# Altium PCB PCB1.PcbDoc (part 2 of 2)
Units mm, origin at the board's own origin, x right, y up, seen from the top; angles counter-clockwise.
Board outline 80 x 115 mm, 4 copper layers (Signal, GND, GND1, PWRD), stack 1.586 mm thick; 119 components, 94 nets, 461 pads, 181 vias.
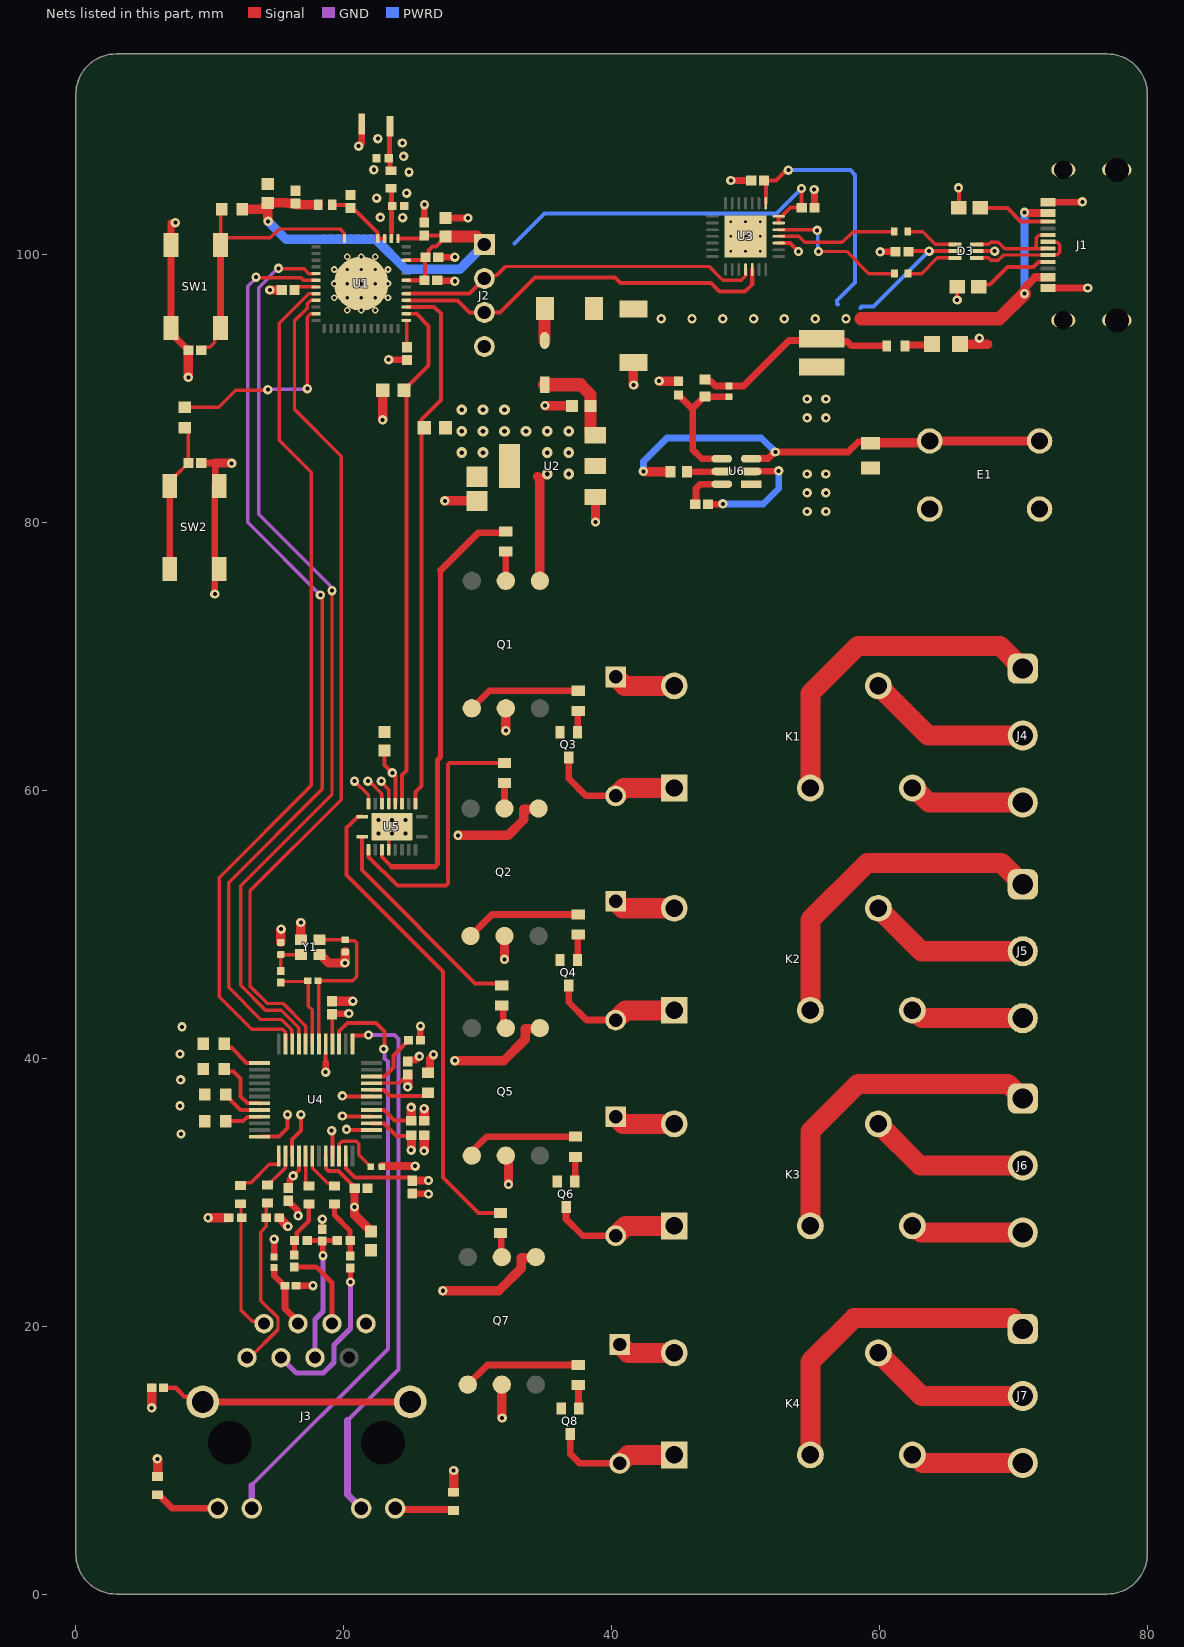
[diagram p4: the nets of this part, all layers, seen from the top]

## Part data (continued)
R22: library part CMP-03211-005885-1, "Res Thick Film 0402 1M Ohm 1% 0.063W(1/16W) ±100ppm/C Pad SMD Automotive T/R", Ambient Temperature Range High=+70°C, Manufacturer="TE Connectivity", Package=CRGCQ0402, Power Rating=0.0625W, Resistance=1MR, Temperature="-55°C to +155°C", Temperature Coefficient=±100ppm/°C, Temperature Range High=+155°C, Temperature Range Low=-55°C, Tolerance=0.01, Voltage Rating=50V, Automotive=Yes, Category=Res, ComponentLink2Description=Datasheet, ComponentLink2URL=https://www.te.com/commerce/DocumentDelivery/DDEController?Action=showdoc&DocId=Data+Sheet%7F1773204-3%7F1%7Fpdf%7FEnglish%7FENG_DS_1773204-3_1.pdf%7F4-2176347-1378, Composition="Thick Film", Device Class L1="Passive Components", Device Class L2=Resistors, Device Class L3="Chip SMD Resistors", Digikey Description="Res Thick Film 0402 1M Ohm 1% 0.063W(1/16W) ±100ppm/C Pad SMD Automotive T/R", Height=0.4mm, Ipc Land Pattern Name=RESC10050X35, Lead Free=Yes, Manufacturer Part Number=CRGCQ0402F1M0, Mouser Description="Res Thick Film 0402 1M Ohm 1% 0.063W(1/16W) ±100ppm/C Pad SMD Automotive T/R", Octopart=https://octopart.com/crgcq0402f1m0-te+connectivity-91017950, RoHS=TRUE, Series=CRGCQ
R25: library part CMP-2002-06970-1, Manufacturer=Yageo, Part Number=RC0402JR-100RL
R27 R28 R29 R30 R31 R32 R33 R34: library part CMP-1012-00454-3, "RES Thick Film, 330Ω, 1%, 0.1W, 100ppm/°C, 0603", Case Code (Imperial)=0603, Case Code (Metric)=1608, Max Operating Temperature=155°C, Max Power Dissipation=100mW, Min Operating Temperature=-55°C, Package Quantity=10, Resistance=330R, Temperature Coefficient=100ppm/°C, Tolerance=1%, Voltage Rating=75V, Case/Package=0603, Composition="Thick Film", Contact Plating=Tin, Depth=0.85mm, Features="Automotive AEC-Q200", Height=0.45mm, Lead Free="Lead Free", Length=1.55mm, Military Standard=Not, Mount="Surface Mount", Number of Terminations=2, Packaging="Tape and Reel", Power Rating=100mW, Radiation Hardening=No, Termination=SMD/SMT, Voltage Rating (DC)=75V, Weight=7.1E-05oz, Width=0.033inch
R35: library part CMP-02407-001837-1, "RES Thick Film, 442kΩ, 1%, 0.1W, 100ppm/°C, 0603", Case/Package=0603, Max Operating Temperature=155°C, Max Power Dissipation=100mW, Min Operating Temperature=-55°C, Package Quantity=20000, Resistance=442kR, Temperature Coefficient=100ppm/°C, Tolerance=1%, Composition="Thick Film", Contact Plating=Tin, Features="Automotive AEC-Q200", Height=0.02inch, Lead Free="Lead Free", Length=0.061inch, Number of Terminations=2, Packaging="Tape and Reel", Radiation Hardening=No, Width=0.033inch
R36: library part CMP-03211-000885-1, "CRGP 0603 100K 1%", Ambient Temperature Range High=+70°C, Manufacturer=TE, Package=CRGP0603, Power Rating=0.25W, Resistance=100kR, Temperature="-55°C to +155°C", Temperature Coefficient=±100ppm/°C, Temperature Range High=+155°C, Temperature Range Low=-55°C, Tolerance=0.01, Voltage Rating=50V, Automotive=No, Category=Res, ComponentLink2Description=Datasheet, ComponentLink2URL=https://www.te.com/commerce/DocumentDelivery/DDEController?Action=srchrtrv&DocNm=9-1773463-9&DocType=DS&DocLang=English, Composition="Thick Film", Device Class L1="Passive Components", Device Class L2=Resistors, Device Class L3="Chip SMD Resistors", Digikey Description="CRGP 0603 100K 1%", Height=0.55mm, Ipc Land Pattern Name=RESC16080X45, Lead Free=Yes, Manufacturer Part Number=CRGP0603F100K, Octopart=https://octopart.com/crgp0603f100k-te+connectivity-91018719, RoHS=TRUE, Series=CRGP
R38: library part CMP-04015-027552-1, "11.1kΩ ±0.1% 0.063W, 1/16W Chip Resistor 0402 (1005 Metric) Moisture Resistant Thin Film"
SW1 SW2: library part CMP-1762-00001-1, "TACT Switch, SPNO, -25 to 70 degC, 4-Pin SMD, RoHS, Tape and Reel", ComponentLink1Description=Datasheet, ComponentLink1URL=http://www.micropik.com/PDF/pul5x5.pdf, DatasheetVersion="Rev. 1.1, 12/2011", PackageDescription="4-Pin Surface Mount Device, Body 5.2 x 5.2 mm", PackageReference=TM-533I-Q-T/R
U1: library part CMP-194065-000030-1, "RX TXRX MOD WIFI SURFACE MOUNT"
U2: library part CMP-12756-000028-1, "IC REG LINEAR 3.3V 800MA SOT223", Case/Package=SOT-223, Dropout Voltage=1.2V, Max Input Voltage=15V, Max Operating Temperature=125°C, Max Output Current=1.35A, Min Current Limit=1A, Min Operating Temperature=-20°C, Output Current=800mA, Output Voltage=3.3V, Package Quantity=4000, Power Supply Rejection Ratio (PSRR)=70dB, Quiescent Current=6mA, Reference Voltage=1.262V, Accuracy=1%, Height=1.7mm, Lead Free="Lead Free", Length=6.7mm, Mount="Surface Mount", Number of Outputs=1, Number of Pins=4, Number of Regulators=1, Output Type=Fixed, Packaging="Tape and Reel", Polarity=Positive, Width=3.7mm
U3: library part CMP-2000-04924-1, "Single-Chip USB to URAT Bridge, 3.3 V, -40 to 85 degC, 28-Pin QFN, RoHS, Tape and Reel", Manufacturer="Silicon Labs", Operating Supply Voltage (Max)=3.6V, Operating Supply Voltage (Min)=3V, Operating Supply Voltage (Typ)=3.3V, Operating Temperature (Max)=85C, Operating Temperature (Min)=-40C, Operating Temperature Classification=Industrial, Package Description="28-Pin Quad-Flat No-Leads Package, Body 5 x 5 mm, Pitch 0.5 mm", Package Reference=QFN-28, Package Type=QFNEP, Supply Current=26mA, Data Rate=1000kbps, Datasheet URL=http://www.mouser.com/ds/2/368/CP2102-9-247052.pdf, Datasheet Version="Rev. 1.6, 12/2013", Interface Circuit Standard 1=RS-232, Manufacturer URL=http://www.silabs.com/, Mounting=SurfaceMount, Number of Channels=1, Package URL=http://www.silabs.com/Support%20Documents/TechnicalDocs/C8051T61x.pdf, Packaging=TapeandReel, Pin Count=28, Rad Hardened=No, Transmitter and Receiver FIFO Counter=No
U4: "Hardwired TCP/IP embedded Ethernet controller", Package=None, Availability=Unavailable, MP=W5500, Price=None
U5: library part CMP-0314-00026-2, "Remote 8-Bit I/O Expander for I2C-Bus, 2.5 to 6 V, -40 to 85 degC, 20-pin VQFN (RGY), Green (RoHS & no Sb/Br)", Manufacturer="Texas Instruments", Max Frequency(kHz)=100, Voltage Nodes(V)="5, 3.3", # of I/Os=8, Code_JEDEC=MO-241-BA, ComponentLink1Description=Datasheet, ComponentLink1URL=http://www.ti.com/general/docs/lit/getliterature.tsp?genericPartNumber=PCF8574&fileType=pdf, ComponentLink2Description="Package Specification", ComponentLink2URL=http://www.ti.com/litv/pdf/mpss024a, DatasheetVersion=SCPS068G, Eco-Plan="Green (RoHS & no Sb/Br)", fSCLK(Max)(MHz)=0.1, I2C Address="0100 xxx", Interrupt Output=Yes, Mounting Technology="Surface Mount", PackageDescription="20-Leads Plastic Quad Flatpack No-Lead, 3.5 x 4.5 x 0.9 mm Body, 0.5 mm Pitch", PackageReference=RGY0020A, PackageVersion="revI, Jun-2011", PartNumber=PCF8574RGYR, Push-Pull I/O Type=Yes, Reset Input=No, SubFamily="I2C IO Expander", Vcc range(V)="2.5 to 6.0", VCC(Max)(V)=6, VCC(Min)(V)=2.5
U6: library part CMP-04918-000212-1, "IC REG BUCK ADJ 2A TSOT23-6", Case/Package=SOT-23-6, Max Input Voltage=28V, Max Operating Temperature=125°C, Min Input Voltage=4.5V, Min Operating Temperature=-40°C, Min Output Voltage=596mV, Output Current=2A, Quiescent Current=40uA, Switching Frequency=500kHz, Lead Free="Lead Free", Max Output Voltage=28V, Mount="Surface Mount", Number of Outputs=1, Output Configuration=Positive, Output Type=Adjustable, Packaging="Tape and Reel", RoHS Compliant=Yes, Synchronous Rectifier=Yes
Y1: library part CMP-27762-012485-1, "Crystal 25MHz ±30ppm 10pF SMD-4 2.5mm x 2mm Automotive", Case/Package=SMD/SMT, ESR (Equivalent Series Resistance)=100R, Frequency=25MHz, Frequency Stability=50ppm, Frequency Tolerance=30ppm, Load Capacitance=10pF, Max Operating Temperature=105°C, Min Operating Temperature=-40°C, Ratings=AEC-Q200, Height=0.024inch, Length=0.098inch, Mount="Surface Mount", Packaging="Tape and Reel", RoHS Compliant=Yes, Width=0.079inch

## Via types
v1: diameter 0.7, hole 0.3, Signal to PWRD, tented both sides, 119 vias
v2: diameter 0.8, hole 0.35, Signal to PWRD, tented both sides, 15 vias
v3: diameter 0.5, hole 0.25, Signal to PWRD, tented both sides, 12 vias
v4: diameter 0.5, hole 0.2, Signal to PWRD, tented both sides, 9 vias
v5: diameter 0.55, hole 0.25, Signal to PWRD, tented both sides, 9 vias
v6: diameter 0.7, hole 0.35, Signal to PWRD, tented both sides, 7 vias
v7: diameter 0.5, hole 0.3, Signal to PWRD, tented both sides, 6 vias
v8: diameter 3, hole 3, Signal to PWRD, 4 vias

## Nets (pads, with @x,y where several pads share a name; then routed paths per layer and width w, separated by ;. In a path a pad name is that pad's centre, name@x,y a point inside that pad or via, vN(x,y) a via of type N, cw(c..) or ccw(c..) an arc to the next point about the centre after c; other vN are vias at no path point)
3v3: C1.2 C2.2 C3.2 C4.1 C9.2 C11.1 C13.1 C18.2 C19.1 C20.2 C21.2 C22.2 C23.2 C24.2 C25.2 C26.2 C39.1 J2.1 L2.1 Q1.1 Q2.1 Q5.1 Q7.1 R3.1 R4.1 R5.1 R9.1 R10.1 R13.1 R16.1 R18.2 R19.2 R20.2 R21.2 R23.2 U1.1 U1.43 U1.46 U2.2 U2.4 U3.6 U3.7 U4.4 U4.8 U4.11 U4.15 U4.17 U4.21 U4.28 U5.5 | length 145
  Signal w0.254: U4.28@19.14,41.09 C22.2@19.14,43.285 ; U4.21@22.09,38.16 22.093,38.163 24.143,38.163 24.522,38.542 24.542,38.542 C23.2@24.775,38.775
  Signal w0.27: U1.1@24.05,101.215 C3.2@25.79,101.215
  Signal w0.3: v1(16.225,31.225) 16.65,31.65 U4.4@16.65,32.72 ; U4.8@18.65,32.72 18.65,32.513 18.66,32.503 18.66,31.795 18.865,31.59 19.61,31.59 20.59,30.61 20.59,30.51 20.72,30.38 C20.2@20.82,30.38 ; C22.2@19.125,43.3 C22.2@19.15,43.325 ; U4.11@20.15,32.72 20.16,32.71 20.16,31.795 20.855,31.1 24.739,31.1 24.749,31.09 24.915,31.09 25.125,30.88 C26.2@25.125,30.86 ; v1@20.35,43.325 v1(20.375,43.35) ; U4.15@22.08,35.15 22.7,35.15 22.71,35.14 22.812,35.14 23.005,35.14 23.941,34.204 24.999,34.204 C24.2@25.045,34.25 ; U4.17@22.08,36.15 22.7,36.15 22.71,36.14 23.005,36.14 23.795,35.35 25.035,35.35 C21.2@25.045,35.35 ; C39.1@23.037,62.963 23.037,61.913 v1(23.625,61.325) 23.85,61.1 U5.5@23.85,59.025 ; U1.43@24.665,98.1 C2.2@26.02,98.1 26.057,98.137 26.057,99.788 C1.2@26.095,99.825 26.075,99.825 25.85,99.6 U1.46@24.665,99.6 ; C3.2@25.79,101.215 26,101.425 C3.2@26,101.44 27.51,101.44 C4.1@27.6,101.35 26.876,100.626 26.621,100.626 26.325,100.33 26.325,100.035 C1.2@26.115,99.825 ; U3.6@52.475,102.375 U3.7@52.475,102.875 52.75,102.875 52.8,102.925 52.8,102.965 53.36,103.525 C18.2@54.19,103.525 54.19,104.935 v1(54.175,104.95)
  Signal w0.5: C25.2@15.85,30.33 15.96,30.44 15.96,30.906 16.225,31.171 v1(16.225,31.225) ; R18.2@16.441,23.025 v1(17.7,23.025) ; C22.2@19.15,43.325 v1@20.35,43.325
  Signal w0.6: v1(20.8,28.9) 20.81,28.91 20.81,30.29 C20.2@20.82,30.3 ; v1(25.025,33.15) 25.025,33.177 v1@25.059,33.211 ; C24.2@25.045,34.25 25.045,34.204 C24.2@25.059,34.19 ; C26.2@25.145,30.88 v1(26.325,30.88)
  Signal w0.7: v1(6.075,10.1) 6.1,10.075 R21.2@6.1,8.777 ; v1(9.875,28.1) R19.2@11.425,28.1 ; R5.1@12.425,103.4 13.85,103.4 C11.1@14.325,103.875 ; v1(14.35,102.5) 14.325,102.525 C11.1@14.325,103.875 ; R20.2@15.175,28.1 v1(15.825,27.45) ; C9.2@16.4,103.8 16.475,103.725 L2.1@18.105,103.725 ; C9.2@16.4,103.82 16.4,103.84 16.39,103.85 15.812,103.85 15.787,103.875 C11.1@14.325,103.875 ; v1(20.8,28.9) 20.8,28.325 C19.1@22.05,27.075 ; v1(22.9,87.675) R4.1@22.9,89.9 ; v1(24.775,37.875) C23.2@24.775,38.795 ; v1(25.025,36.35) 25.025,35.36 C21.2@25.035,35.35 ; v1@25.059,33.211 C24.2@25.059,34.19 ; v1(27.4,22.65) 31.571,22.65 33.24,24.319 33.24,25.112 34.292,25.112 Q7.1@34.34,25.16 ; R23.2@28.2,7.6 v1(28.2,9.225) ; v1(28.3,39.825) 31.946,39.825 33.54,41.419 33.54,42.212 34.592,42.212 Q5.1@34.64,42.26 ; v1(28.525,56.65) 32.271,56.65 33.44,57.819 33.44,58.612 34.492,58.612 Q2.1@34.54,58.66 ; 34.475,83.45 34.64,83.285 Q1.1@34.64,75.66
  Signal w0.9: C4.1@27.6,101.35 29.92,101.35 J2.1@30.5,100.77
  PWRD w0.3: 32.75,100.85 34.975,103.075 52.3,103.075 v1(54.175,104.95)
  PWRD w0.7: v1(14.35,102.5) 15.7,101.15 22.4,101.15 24.625,98.925 28.673,98.925 29.2,99.452 29.2,99.47 J2.1@30.5,100.77
  other v1: 7.85,34.35 7.775,36.45 7.825,38.4 7.775,40.325 7.925,42.35
  other v2: 35.2,83.631 36.8,83.631 28.8,85.231 30.4,85.231 35.2,85.231 36.8,85.231 28.8,86.831 30.4,86.831 32,86.831 33.6,86.831 35.2,86.831 36.8,86.831 28.8,88.431 30.4,88.431 32,88.431
3V3A: C10.2 L2.2 U1.3 U1.4 | length 5.2
  Signal w0.3: L2.2@19.15,103.725 20.29,103.725 20.5,103.515 C10.2@20.5,103.5 20.5,103.48 20.71,103.27 20.926,103.27 22.525,101.671 22.525,101.24 U1.4@22.55,101.215 U1.3@23.05,101.215
5V: C14.1 C17.2 C38.1 D2.2 D3.5 D4.1 D5.1 D6.1 D7.1 FB1.1 J1.A4-B9 J1.B4-A9 K1.5 K2.5 K3.5 K4.5 L3.2 Q1.5 Q2.5 Q5.5 Q7.5 R36.2 R37.2 U3.8 | length 95.2
  Signal w0.3: U3.8@51.518,103.85 51.518,105.412 C14.1@51.38,105.55 52.275,105.55 52.825,106.1 52.867,106.1 53.092,106.325 v1(53.2,106.325) ; C17.2@61.98,100.275 v1(63.713,100.275) D3.5@65.645,100.275
  Signal w0.5: v1@31.8,13.175 v1(31.825,13.15) ; Q5.5@32.1,32.74 Q5.5@32.2,32.64 ; FB1.1@38.676,96 FB1.1@38.835,96.159 ; R36.2@46.975,90.677 47.104,90.548 47.417,90.548 47.765,90.2 C38.1@48.775,90.2 49.855,90.2 53.25,93.595 55.57,93.595 L3.2@55.7,93.725 55.9,93.525 57.586,93.525 57.911,93.2 R37.2@60.548,93.2 ; v1(70.825,97.1) 70.863,97.138 70.863,97.563 ; v1(70.825,103.175) v1@70.875,103.125
  Signal w0.6: 70.863,97.563 71.625,98.325 J1.A4-B9@72.575,98.325 ; v1@70.875,103.125 J1.B4-A9@72.575,103.125
  Signal w0.7: v1@31.8,13.175 Q7.5@31.8,15.64 ; v1(32,47.4) Q2.5@32,49.14 ; v1(32.1,64.475) Q1.5@32.1,66.14 ; Q5.5@32.2,32.64 32.2,32.459 32.299,32.36 v1(32.299,30.599)
  Signal w1: 58.625,95.225 68.95,95.225 v1(70.825,97.1)
  Signal w1.5: D6.1@40.3,35.64 40.83,35.11 K3.5@44.68,35.11 ; D5.1@40.3,51.74 40.83,51.21 K2.5@44.68,51.21 ; D4.1@40.3,68.48 40.97,67.81 K1.5@44.68,67.81 ; D7.1@40.6,18.64 41.23,18.01 K4.5@44.68,18.01
  PWRD w0.3: v1(53.2,106.325) 57.825,106.325 58.175,105.975 58.175,97.925 56.837,96.587 56.837,96.338 56.9,96.275 ; 58.575,96.025 58.675,96.125 59.562,96.125 v1(63.713,100.275)
  PWRD w0.6: v1(70.825,97.1) v1(70.825,103.175)
  other v6: 43.7,95.231 46,95.231 48.3,95.231 50.6,95.231 52.9,95.231 55.2,95.231 57.5,95.231
5VUSB: C12.1 D1.1 U2.3 | length 7
  Signal w0.9: 37.676,90.299 38.425,89.55 C12.1@38.425,88.725 38.425,88.475 38.425,86.675 38.575,86.525 U2.3@38.775,86.525
  Signal w1: D1.1@35,90.299 37.676,90.299
24V: C37.1 E1.A2 R35.1 U6.3 | length 36
  Signal w0.5: v1(42.375,83.825) 42.475,83.825 v1@42.5,83.8 ; U6.3@50.425,84.775 50.439,84.789 51.685,84.789 52.171,85.275 57.659,85.275 58.418,86.034 59.466,86.034 C37.1@59.575,85.925
  Signal w0.7: v1@42.5,83.8 R35.1@44.385,83.8 ; C37.1@59.605,85.955 63.73,85.955 63.875,86.1 E1.A2@72.075,86.1
  PWRD w0.5: v1(42.375,83.825) 42.375,84.575 44.125,86.325 51.175,86.325 v1(52.225,85.275)
ACTLED: J3.10 U4.27 | length 44.9
  Signal w0.3: U4.27@19.65,41.08 19.65,42.025 20.275,42.65 22.4,42.65 23.05,42 23.05,40.775 v1(22.975,40.7)
  GND w0.3: 13.13,8.13 23.3,18.3 23.3,29.646 23.3,39.75 23.052,39.998 23.052,40.623 v1(22.975,40.7)
  GND w0.5: J3.10@13.13,6.4 13.13,8.13
D_N: R7.2 U3.5 | length 10.9
  Signal w0.254: U3.5@52.475,101.875 55.3,101.875 v1(55.35,101.825) ; v1(55.45,100.25) 57.55,100.25 59.2,98.6 R7.2@61.125,98.6
  PWRD w0.254: v1(55.35,101.825) 55.4,101.775 55.4,100.3 v1(55.45,100.25)
D_P: R8.2 U3.4 | length 9.1
  Signal w0.254: U3.4@52.475,101.375 53.983,101.375 54.431,100.927 57.227,100.927 58.025,101.725 R8.2@61.1,101.725
EN: C15.2 R5.2 SW1.3 SW1.4 U1.9 | length 21.4
  Signal w0.254: C15.2@9.36,92.875 9.593,93.108 10.008,93.108 10.377,93.477 10.377,94.102 SW1.3@10.8,94.525 ; SW1.4@10.749,100.812 SW1.4@10.936,101.129 ; R5.2@10.872,103.312 10.987,103.312 10.8,103.125 10.8,101.265 10.895,101.17 10.986,101.261 14.511,101.261 15.175,101.925 19.738,101.925 20.048,101.615 20.048,101.217 U1.9@20.05,101.215
  Signal w0.5: SW1.3@10.8,94.525 SW1.4@10.8,100.725
GND: ANT1.1 C1.1 C2.1 C3.1 C4.2 C5.1 C6.1 C7.1 C8.1 C9.1 C10.1 C11.2 C12.2 C13.2 C14.2 C15.1 C16.1 C17.1 C18.1 C19.2 C20.1 C21.1 C22.1 C23.1 C24.1 C25.1 C26.1 C27.2 C28.2 C29.2 C32.1 C33.1 C34.1 C35.1 C37.2 C39.2 D2.1 D3.2 D8.1 E1.A1 J1.1 J1.2 J1.3 J1.4 J1.A1-B12 J1.B1-A12 J2.4 J3.8 Q3.2 Q4.2 Q6.2 Q8.2 R1.1 R2.1 R14.1 R38.1 SW1.1 SW1.2 SW2.1 SW2.2 U1.49 U2.1 U3.3 U3.29 U4.3 U4.9 U4.14 U4.16 U4.19 U4.29 U4.48 U5.6 U5.7 U5.9 U5.15 U5.21 U6.1 Y1.2 Y1.4 | length 105.9
  Signal w0.254: v1@15.3,49.625 v1(15.325,49.65) ; C35.1@18.4,27.24 v1(18.4,28) ; v1(20.8,60.7) 21.85,59.65 U5.9@21.85,59.025 ; v1(21.8,60.7) 21.921,60.7 22.85,59.771 U5.7@22.85,59.025 ; v1(22.8,60.7) 22.8,60.603 23.358,60.045 23.358,59.033 U5.6@23.35,59.025 ; U5.15@23.35,55.575 23.35,56.55 v7(23.6,56.8)
  Signal w0.3: U4.48@13.72,34.15 15.15,34.15 15.8,34.8 v1(15.8,35.8) ; U4.3@16.15,32.72 16.15,33.95 16.8,34.6 v1(16.8,35.8) ; 18.65,39.7 U4.29@18.65,40.45 ; v1(19.1,34.6) 19.15,34.55 U4.9@19.15,32.72 ; v1(19.9,35.7) 19.95,35.65 U4.16@22.08,35.65 ; v1(19.9,37.2) 19.95,37.15 U4.19@22.08,37.15 ; v1(20.2,34.7) 20.25,34.65 U4.14@22.08,34.65 ; U3.3@52.475,100.875 53.325,100.875 v1(53.95,100.25) ; R1.1@65.798,97.6 65.8,97.598 v1(65.8,96.625) ; v1(65.9,105) 65.921,104.979 R2.1@65.921,103.5 ; D3.2@67.055,100.275 D3.2@67.255,100.275 v1(68.6,100.275)
  Signal w0.5: v1@7.1,102.4 SW1.2@7.1,100.725 SW1.1@7.1,94.525 7.4,94.225 7.4,93.875 8.27,93.005 8.27,92.985 8.38,92.875 C15.1@8.4,92.875 ; C16.1@9.355,84.45 10.4,84.45 10.4,83.05 SW2.1@10.7,82.75 ; v1(10.375,74.675) SW2.1@10.375,82.775 ; C29.2@14.8,25.175 v1(14.8,26.5) ; C33.1@15.3,48.65 C33.1@15.325,48.65 ; C25.1@15.85,29.37 15.96,29.26 15.96,29.24 16.562,28.638 16.562,28.288 v1(16.6,28.25) ; v1(18.65,38.975) 18.65,39.7 ; v1@20.66,44.26 v1(20.675,44.275) ; v1(21.113,108.112) 21.35,108.35 ANT1.1@21.35,109.76 ; v1(23.35,92.175) 24.69,92.175 C5.1@24.725,92.14 ; C23.1@24.775,39.755 24.775,39.775 24.885,39.885 25.385,39.885 v1(25.65,40.15) ; C26.1@25.125,29.9 26.3,29.9 v1(26.325,29.875) ; C28.2@25.715,41.35 25.715,42.39 v1(25.725,42.4) ; v1(26,33.1) 26,33.125 v1@26.005,33.13 ; v1(26,36.25) v1@26.005,36.245 ; C3.1@26,102.4 26,103.715 v1(26.025,103.74) ; C2.1@26.98,98.1 27.017,98.062 28.262,98.062 v1(28.3,98.025) ; C1.1@27.055,99.825 v1(28.3,99.825) ; C4.2@27.6,102.75 v1(29.275,102.75) ; v1(35.025,88.75) v1@35.05,88.725 ; U2.1@38.775,81.925 U2.1@38.8,81.9 ; v1(43.55,90.575) v1@43.561,90.564 ; v1(48.9,105.55) C14.2@50.42,105.55 ; v1(55.125,104.875) 55.15,104.85 C18.1@55.15,103.525 ; v1(60.05,100.225) C17.1@61.195,100.225 ; v1@67.425,93.8 v1(67.45,93.775) ; J1.A1-B12@72.575,97.525 v1(75.55,97.525) ; J1.B1-A12@72.575,103.925 75.125,103.925 v1(75.15,103.95)
  Signal w0.6: R14.1@22.839,31.95 v1(25.325,31.95) ; C27.2@26.407,38.982 26.45,39.025 26.45,39.998 26.7,40.248 v1(26.7,40.275)
  Signal w0.7: v1(5.65,13.9) C32.1@5.65,15.39 ; C15.1@8.375,92.865 8.4,92.865 v1(8.4,90.85) ; 10.4,84.45 11.6,84.45 v1(11.625,84.425) ; v1(14.475,97.375) C6.1@15.37,97.375 ; C33.1@15.3,48.65 v1@15.3,49.625 ; Y1.2@16.8,48.85 v1(16.8,50.15) ; Y1.4@18.2,47.75 18.25,47.7 18.3,47.7 18.875,47.125 v1(20.075,47.125) 20.1,47.15 C34.1@20.1,47.95 ; C22.1@19.125,44.26 v1@20.66,44.26 ; v1@26.005,33.13 C24.1@26.005,34.25 ; C21.1@26.005,35.35 v1@26.005,36.245 ; v1@27.551,81.624 C13.2@29.95,81.624 ; v1@35.05,88.725 C12.2@37.025,88.725 ; v1(38.8,80.05) U2.1@38.8,81.9 ; D2.1@41.625,91.965 41.625,90.3 v1(41.65,90.275) ; v1@43.561,90.564 R38.1@45,90.564 ; D8.1@66.025,93.325 68.075,93.325
  other v1: 27.55,81.625 7.425,102.4 24.4,102.775 24.4,102.775 22.725,102.8 22.45,104.225 24.7,104.6 24.875,106.175 22.25,106.35 24.475,107.35 24.375,108.35 22.55,108.675
  other v3: 20.25,95.85 21.3,95.85 22.35,95.85 19.3,96.8 23.3,96.8 19.3,97.85 23.3,97.85 19.3,98.9 23.3,98.9 20.25,99.85 21.3,99.85 22.35,99.85
  other v4: 48.9,100.275 50,100.275 51.1,100.275 48.9,101.375 50,101.375 51.1,101.375 48.9,102.475 50,102.475 51.1,102.475
  other v5: 20.25,96.8 21.3,96.8 22.35,96.8 20.25,97.85 21.3,97.85 22.35,97.85 20.25,98.9 21.3,98.9 22.35,98.9
  other v7: 22.6,56.8 24.6,56.8 22.6,57.8 23.6,57.8 24.6,57.8
I0: R6.2 U1.23 | length 15.8
  Signal w0.254: R6.2@8.125,88.627 10.672,88.627 11.945,89.9 14.3,89.9 v1(14.325,89.925) ; v1(17.275,90) 17.275,92.255 17.268,92.262 17.268,95.351 17.517,95.6 U1.23@17.935,95.6
  GND w0.254: v1(14.325,89.925) 14.363,89.962 17.237,89.962 v1(17.275,90)
LINKLED: J3.11 U4.25 | length 41.2
  Signal w0.3: U4.25@20.65,41.08 20.65,41.7 20.66,41.71 21.81,41.71 v1(21.85,41.75)
  GND w0.3: 20.275,12.975 24.075,16.775 24.075,41.45 23.775,41.75 v1(21.85,41.75)
  GND w0.5: 20.275,12.975 20.275,7.425 J3.11@21.3,6.4
MAIN1: J4.1 K1.2 | length 25.1
  Signal w1.5: K1.2@54.84,60.19 54.84,67.24 58.4,70.8 69,70.8 J4.1@70.7,69.1
MAIN2: J5.1 K2.2 | length 25
  Signal w1.5: K2.2@54.84,43.59 54.84,50.34 59.1,54.6 69.1,54.6 J5.1@70.7,53
MAIN3: J6.1 K3.2 | length 24.8
  Signal w1.5: K3.2@54.84,27.49 54.84,34.54 58.4,38.1 69.6,38.1 J6.1@70.7,37
MAIN4: J7.1 K4.2 | length 24.5
  Signal w1.5: K4.2@54.84,10.39 54.84,17.34 58.1,20.6 69.9,20.6 J7.1@70.7,19.8
NA1: J4.3 K1.3 | length 8.7
  Signal w1.5: K1.3@62.46,60.19 62.595,60.19 63.685,59.1 J4.3@70.7,59.1
NA2: J5.3 K2.3 | length 8.5
  Signal w1.5: K2.3@62.46,43.59 62.595,43.59 63.185,43 J5.3@70.7,43
NA3: J6.3 K3.3 | length 8.4
  Signal w1.5: K3.3@62.46,27.49 62.595,27.49 63.085,27 J6.3@70.7,27
NA4: J7.3 K4.3 | length 8.5
  Signal w1.5: K4.3@62.46,10.39 62.595,10.39 63.185,9.8 J7.3@70.7,9.8
NC1: J4.2 K1.4 | length 12.3
  Signal w1.5: K1.4@59.92,67.81 63.63,64.1 J4.2@70.7,64.1
NC2: J5.2 K2.4 | length 12.1
  Signal w1.5: K2.4@59.92,51.21 63.13,48 J5.2@70.7,48
NC3: J6.2 K3.4 | length 12.1
  Signal w1.5: K3.4@59.92,35.11 63.03,32 J6.2@70.7,32
NC4: J7.2 K4.4 | length 12.1
  Signal w1.5: K4.4@59.92,18.01 63.13,14.8 J7.2@70.7,14.8
NetANT1_2: ANT1.2 C8.2 L1.1 | length 3.4
  Signal w0.367: ANT1.2@23.45,109.6 23.4,109.55 23.4,107.25 C8.2@23.35,107.2 23.438,107.112 23.438,106.375 L1.1@23.525,106.288
NetC5_2: C5.2 U1.37 | length 2
  Signal w0.254: U1.37@24.665,95.1 24.693,95.1 24.695,95.098 24.695,93.13 C5.2@24.725,93.1
NetC6_2: C6.2 U1.19 | length 1.7
  Signal w0.254: C6.2@16.355,97.375 16.58,97.6 U1.19@17.935,97.6
NetC7_2: C7.2 L1.2 U1.2 | length 3.8
  Signal w0.3: U1.2@23.55,101.215 23.55,101.693
  Signal w0.367: L1.2@23.525,104.963 23.575,104.913 23.575,103.7 C7.2@23.625,103.65 23.55,103.575 23.55,101.693
NetC16_2: C16.2 R6.1 SW2.3 SW2.4 | length 11.1
  Signal w0.254: SW2.3@7,82.75 7,83.1 7.423,83.523 7.448,83.523 C16.2@8.375,84.45 ; R6.1@8.098,87.073 R6.1@8.125,87.073 ; R6.1@8.12,87.073 R6.1@8.12,87.28 ; C16.2@8.395,84.45 R6.1@8.395,86.873
  Signal w0.5: SW2.4@7,76.55 SW2.3@7,82.75
NetC27_1: C27.1 U4.20 | length 4.5
  Signal w0.3: U4.20@22.08,37.65 22.7,37.65 22.71,37.64 22.812,37.64 23.005,37.64 23.47,37.175 26.05,37.175 C27.1@26.3,37.425
NetC28_1: C28.1 U4.22 | length 4.4
  Signal w0.3: U4.22@22.08,38.65 22.09,38.66 23.035,38.66 23.7,39.325 23.7,40.215 24.645,41.16 24.645,41.18 24.815,41.35 C28.1@24.835,41.35
NetC29_1: C29.1 J3.4 R18.1 | length 5
  Signal w0.5: C29.1@14.8,24.375 14.81,24.365 14.81,23.77 15.555,23.025 R18.1@15.609,23.025 15.609,21.303 16.58,20.332 J3.4@16.58,20.19
NetC30_2: C30.2 J3.3 | length 12.3
  Signal w0.381: v1(20.5,23.3) C30.2@20.5,24.36
  GND w0.381: J3.3@15.31,17.65 16.46,16.5 18.475,16.5 19.276,17.301 19.276,18.598 20.5,19.822 v1(20.5,23.3)
NetC31_2: C31.2 J3.6 | length 6.4
  Signal w0.381: C31.2@16.3,24.435 17.94,24.435 19.12,23.255 J3.6@19.12,20.19
NetC32_2: C32.2 J3.MH1 J3.MH2 | length 18.9
  Signal w0.34: C32.2@6.54,15.4 7.45,15.4 8.1,14.75 9.07,14.75 J3.MH1@9.47,14.35
  Signal w0.5: J3.MH1@9.47,14.35 J3.MH2@24.96,14.35
NetC33_2: C33.2 R25.1 Y1.3 | length 2.7
  Signal w0.254: R25.1@15.3,46.525 C33.2@15.3,47.75 Y1.3@16.8,47.75
NetC35_2: C35.2 J3.5 R24.1 R26.1 | length 11.3
  Signal w0.35: R26.1@17.275,26.4 C35.2@18.36,26.4 ; C35.2@18.4,26.36 18.44,26.4 R24.1@19.525,26.4
  Signal w0.4: C35.2@18.36,26.4 18.425,26.335 18.425,25.3 v1(18.45,25.275)
  GND w0.4: J3.5@17.85,17.65 17.85,20.508 18.45,21.108 v1(18.45,25.275)
NetC36_1: C36.1 L3.1 U6.2 | length 9.2
  Signal w0.5: C36.1@47.205,81.375 48.275,81.375 v1(48.3,81.4) ; U6.2@50.425,83.825 50.439,83.839 52.439,83.839 v1(52.475,83.875)
  PWRD w0.5: v1(48.3,81.4) 51.325,81.4 52.475,82.55 v1(52.475,83.875)
  other v1: 54.6,80.831 56,80.831 54.6,82.231 56,82.231 54.6,83.631 56,83.631 54.6,87.831 56,87.831 54.6,89.231 56,89.231
NetC36_2: C36.2 U6.6 | length 3.1
  Signal w0.5: C36.2@46.3,81.525 46.3,82.55 46.625,82.875 U6.6@48.225,82.875
NetC38_2: C38.2 R36.1 R38.2 U6.4 | length 10.1
  Signal w0.5: R38.2@45,89.536 45,89.528 46.05,88.478 ; U6.4@48.225,84.775 46.725,84.775 46.05,85.45 46.05,88.478 ; C38.2@48.775,89.4 48.765,89.41 46.988,89.41 R36.1@46.975,89.423 46.948,89.423 46.05,88.525 46.05,88.478
NetD1_2: D1.2 FB1.2 | length 2.4
  Signal w0.9: D1.2@35,93.6 FB1.2@35,95.976
NetD3_4: D3.4 R8.1 | length 3.9
  Signal w0.254: R8.1@62.1,101.725 63.22,101.725 64.17,100.775 D3.4@65.645,100.775
NetD3_6: D3.6 R7.1 | length 4
  Signal w0.254: R7.1@62.125,98.6 63.15,98.6 64.325,99.775 D3.6@65.645,99.775
NetD4_2: D4.2 K1.1 Q3.3 | length 10.2
  Signal w0.5: Q3.3@36.8,62.45 36.8,60.9 38.1,59.6 D4.2@40.3,59.6
  Signal w1.5: D4.2@40.3,59.6 40.314,59.6 40.904,60.19 K1.1@44.68,60.19
NetD5_2: D5.2 K2.1 Q4.3 | length 10
  Signal w0.5: Q4.3@36.8,45.45 36.8,44.193 38.133,42.86 D5.2@40.3,42.86
  Signal w1.5: D5.2@40.3,42.86 40.314,42.86 41.044,43.59 K2.1@44.68,43.59
NetD6_2: D6.2 K3.1 Q6.3 | length 9.8
  Signal w0.5: Q6.3@36.6,28.9 36.6,28 37.84,26.76 D6.2@40.3,26.76
  Signal w1.5: D6.2@40.3,26.76 40.314,26.76 41.044,27.49 K3.1@44.68,27.49
NetD7_2: D7.2 K4.1 Q8.3 | length 9.8
  Signal w0.5: Q8.3@36.9,11.95 36.9,10.5 37.64,9.76 D7.2@40.6,9.76
  Signal w1.5: D7.2@40.6,9.76 40.614,9.76 41.244,10.39 K4.1@44.68,10.39
NetD8_2: D8.2 R37.1 | length 2.1
  Signal w0.5: R37.1@61.902,93.2 61.964,93.262 63.862,93.262 D8.2@63.925,93.325
NetJ1_A5: J1.A5 R1.2 | length 5.9
  Signal w0.3: R1.2@67.402,97.6 67.582,97.78 68.255,97.78 69.575,99.1 71.505,99.1 71.88,99.475 J1.A5@72.575,99.475
NetJ1_B5: J1.B5 R2.2 | length 5.5
  Signal w0.3: R2.2@67.525,103.5 69.552,103.5 70.125,102.927 70.125,102.885 70.535,102.475 J1.B5@72.575,102.475
NetJ3_9: J3.9 R21.1 | length 4.9
  Signal w0.5: R21.1@6.1,7.423 6.177,7.423 7.2,6.4 J3.9@10.59,6.4
NetJ3_12: J3.12 R23.1 | length 4.4
  Signal w0.5: J3.12@23.84,6.4 23.917,6.323 28.123,6.323 R23.1@28.2,6.247
NetQ1_2: Q1.2 R27.2 | length 2.2
  Signal w0.5: Q1.2@32.1,75.66 R27.2@32.1,77.85
NetQ1_4: Q1.4 R29.2 | length 8.5
  Signal w0.5: Q1.4@29.56,66.14 30.87,67.45 R29.2@37.5,67.45
NetQ2_2: Q2.2 R28.1 | length 1.9
  Signal w0.5: Q2.2@32,58.66 R28.1@32,60.55
NetQ2_4: Q2.4 R30.2 | length 8.7
  Signal w0.5: Q2.4@29.46,49.14 31.07,50.75 R30.2@37.5,50.75
NetQ3_1: Q3.1 R29.1 | length 1.6
  Signal w0.5: Q3.1@37.45,64.35 37.475,64.375 37.475,65.925 R29.1@37.5,65.95
NetQ4_1: Q4.1 R30.1 | length 1.9
  Signal w0.5: Q4.1@37.45,47.35 37.475,47.375 37.475,49.225 R30.1@37.5,49.25
NetQ5_2: Q5.2 R31.1 | length 1.9
  Signal w0.5: R31.1@31.7,43.95 31.775,43.95 31.9,43.825 31.9,42.695 32.1,42.495 Q5.2@32.1,42.26
NetQ5_4: Q5.4 R33.2 | length 8.6
  Signal w0.5: Q5.4@29.26,32.74 30.67,34.15 R33.2@37.3,34.15
NetQ6_1: Q6.1 R33.1 | length 1.9
  Signal w0.5: Q6.1@37.25,30.8 37.275,30.825 37.275,32.625 R33.1@37.3,32.65
NetQ7_2: Q7.2 R32.1 | length 1.8
  Signal w0.5: R32.1@31.7,26.95 31.75,26.9 31.75,25.21 Q7.2@31.8,25.16
NetQ7_4: Q7.4 R34.2 | length 8.8
  Signal w0.5: Q7.4@29.26,15.64 30.72,17.1 R34.2@37.5,17.1
NetQ8_1: Q8.1 R34.1 | length 1.8
  Signal w0.5: R34.1@37.5,15.6 37.525,15.575 37.525,13.875 Q8.1@37.55,13.85
NetR3_2: R3.2 U1.39 U5.2 | length 40.2
  Signal w0.3: U1.39@24.665,96.1 26.75,96.1 27.25,95.6 27.25,89.146 25.8,87.696 25.8,60.355 25.35,59.905 U5.2@25.35,59.025
NetR4_2: R4.2 U1.38 U5.4 | length 38.6
  Signal w0.254: U1.38@24.665,95.6 25.425,95.6
  Signal w0.3: U5.4@24.35,59.025 24.36,59.035 24.36,61.16 24.7,61.5 R4.2@24.7,89.9 ; R4.2@24.5,89.9 24.6,90 26.325,91.725 26.325,94.7 25.425,95.6
NetR9_2: R9.2 U4.37 | length 3.3
  Signal w0.3: R9.2@11.077,41.1 11.077,41.073 11.356,40.794 11.606,40.794 12.75,39.65 U4.37@13.72,39.65
NetR10_2: R10.2 U4.45 | length 2.7
  Signal w0.3: R10.2@11.177,35.327 12.482,35.327 12.795,35.64 13.71,35.64 U4.45@13.72,35.65
NetR11_1: R11.1 U4.1 | length 4.1
  Signal w0.254: R11.1@12.3,30.5 12.502,30.702 13.072,30.702 14.45,32.08 15.15,32.08 U4.1@15.15,32.72
NetR12_1: R12.1 U4.2 | length 2.8
  Signal w0.254: R12.1@14.3,30.553 14.377,30.553 15.65,31.827 U4.2@15.65,32.72
NetR13_2: R13.2 U4.44 | length 3
  Signal w0.3: R13.2@11.177,37.3 11.177,37.273 12.3,36.15 U4.44@13.72,36.15
NetR14_2: R14.2 U4.10 | length 4.7
  Signal w0.254: U4.10@19.65,32.72 19.663,32.733 19.663,33.615 19.875,33.827 20.925,33.827 21.117,33.635 21.117,32.794 21.894,32.017 21.894,32.009 22.032,31.871 R14.2@22.04,31.871
NetR15_1: R15.1 U4.5 | length 2.4
  Signal w0.254: U4.5@17.15,32.72 17.15,30.679 17.352,30.477 R15.1@17.4,30.477
NetR16_2: R16.2 U4.43 | length 4.5
  Signal w0.3: R16.2@11.077,39.2 11.257,39.02 11.78,39.02 12.3,38.5 12.3,37.155 12.795,36.66 13.71,36.66 U4.43@13.72,36.65
NetR17_1: R17.1 U4.6 | length 3.1
  Signal w0.254: U4.6@17.65,32.72 17.663,32.707 17.663,31.825 18.808,30.679 19.098,30.679 R17.1@19.3,30.477
NetR27_1: R27.1 U5.14 | length 33.2
  Signal w0.3: U5.14@22.85,55.575 22.86,55.565 22.86,55.035 23.095,54.8 23.595,54.3
  Signal w0.4: 23.595,54.3 26.766,54.3 27,54.534 27,62.278 27.225,62.503 27.225,76.425
  Signal w0.5: 27.225,76.425 30.036,79.236 31.986,79.236 R27.1@32.1,79.35
NetR28_2: R28.2 U5.12 | length 20.6
  Signal w0.3: U5.12@21.85,55.575 21.86,55.565 21.86,55.035 23.995,52.9 27.624,52.9 27.8,53.076 27.8,61.95 27.9,62.05 R28.2@32,62.05
NetR31_2: R31.2 U5.11 | length 16.5
  Signal w0.3: U5.11@21.36,56.54 21.36,55.94 21.35,55.93 21.35,55.368 21.36,55.358 21.36,54.055 29.815,45.6 31.65,45.6 R31.2@31.8,45.45
NetR32_2: R32.2 U5.10 | length 36
  Signal w0.3: U5.10@21.375,58.05 21.05,58.05 20.4,57.4 20.376,57.4 20.2,57.224 20.2,53.7 27.4,46.5 27.4,31.1 30.05,28.45 R32.2@31.7,28.45
NetR35_2: R35.2 U6.5 | length 2.6
  Signal w0.5: R35.2@45.615,83.8 45.628,83.812 48.212,83.812 U6.5@48.225,83.825
NetU1_17: U1.17 U4.33 | length 69.1
  Signal w0.254: v1(15.126,98.983) 15.158,98.95 17.05,98.95 17.4,98.6 U1.17@17.935,98.6 ; U4.33@16.65,41.08 16.65,42.271 15.321,43.6 14.158,43.6 12.3,45.458 12.3,52.9 19.125,59.725 v1(19.125,74.925)
  GND w0.254: v1(15.126,98.983) 15.075,98.983 13.648,97.555 13.648,80.627 19.04,75.235 19.04,75.01 v1(19.125,74.925)
NetU1_18: U1.18 U4.34 | length 70.4
  Signal w0.254: v1(13.45,98.325) 13.502,98.273 16.809,98.273 16.982,98.1 U1.18@17.935,98.1 ; U4.34@16.15,41.08 16.137,41.093 16.137,41.833 16.117,41.853 16.117,42.137 15.354,42.9 13.8,42.9 11.4,45.3 11.4,53.114 18.4,60.114 18.4,74.679 18.321,74.6 v1(18.25,74.6)
  GND w0.254: v1(13.45,98.325) 13.45,98.265 12.825,97.64 12.825,80.025 v1(18.25,74.6)
NetU1_20: U1.20 U4.35 | length 64.7
  Signal w0.254: U4.35@15.65,41.08 15.637,41.093 15.637,41.833 15.617,41.853 15.617,41.995 15.425,42.187 13.113,42.187 10.7,44.6 10.7,53.5 17.573,60.373 17.573,83.77 15.175,86.168 15.175,94.88 17.393,97.098 17.933,97.098 U1.20@17.935,97.1
NetU1_21: U1.21 U4.32 | length 63.1
  Signal w0.254: U4.32@17.15,41.08 17.15,42.413 15.463,44.1 14.3,44.1 13,45.4 13,52.5 19.827,59.327 19.827,84.948 16.323,88.452 16.323,95.073 17.268,96.018 17.268,96.331 17.535,96.598 17.933,96.598 U1.21@17.935,96.6
RX: J2.3 U1.40 U3.26 | length 29
  Signal w0.3: U1.40@24.665,96.6 28.475,96.6 29.385,95.69 31.665,95.69 34.275,98.3 40.248,98.3 40.648,97.9 47.425,97.9 48.05,97.275 49.975,97.275 50.5,97.8 U3.26@50.5,98.9
RX_N: C31.1 R15.2 R26.2 | length 4.3
  Signal w0.34: C31.1@16.3,25.315 C31.1@16.312,25.327 ; R26.2@16.312,26.388 R26.2@16.325,26.4 16.35,26.4 16.505,26.555 16.505,26.987 17.4,27.882 R15.2@17.4,29.123
  Signal w0.381: C31.1@16.312,25.327 R26.2@16.312,26.388
RX_P: C30.1 R17.2 R24.2 | length 4.4
  Signal w0.381: R17.2@19.3,29.123 19.3,28.3 20.475,27.125 R24.2@20.475,26.4 20.488,26.388 20.488,25.252 C30.1@20.5,25.24
TX: J2.2 U1.41 U3.25 | length 27.2
  Signal w0.254: J2.2@30.5,98.23 30.723,98.453 31.403,98.453 32.075,99.125 47.296,99.125 48.044,98.377 48.323,98.098 49.677,98.098 50,98.421 U3.25@50,98.9
  Signal w0.3: U1.41@24.665,97.1 29.37,97.1 J2.2@30.5,98.23
TX_N: J3.2 R11.2 R19.1 | length 10.1
  Signal w0.254: R11.2@12.3,29.147 12.325,29.122 12.325,28.1 12.325,21.205 13.163,20.367 13.863,20.367 J3.2@14.04,20.19
TX_P: J3.1 R12.2 R20.1 | length 13.4
  Signal w0.254: J3.1@12.77,17.65 12.985,17.65 15.09,19.755 15.09,20.625 13.8,21.915 13.8,27.025 14.225,27.45 14.225,29.125 R12.2@14.3,29.2
USB_D_N: D3.1 J1.A7 J1.B7 | length 8.1
  Signal w0.254: D3.1@67.255,99.775 68.143,99.775 68.32,99.598 68.88,99.598 69.269,99.986 72.563,99.986 72.575,99.998 73.26,99.998 73.452,100.19 73.452,100.76 73.26,100.952 72.598,100.952 J1.A7@72.575,100.975
USB_D_P: D3.3 J1.A6 J1.B6 | length 7.4
  Signal w0.254: D3.3@67.255,100.775 68.143,100.775 68.32,100.952 68.88,100.952 69.369,100.463 71.644,100.463 ; J1.A6@72.575,100.475 72.164,100.475 72.152,100.463 71.644,100.463 ; J1.B6@72.575,101.475 72.552,101.452 72.032,101.452 71.89,101.452 71.698,101.26 71.698,100.641 71.582,100.525 71.644,100.463
XI: C34.2 R22.1 U4.30 Y1.1 | length 13.2
  Signal w0.254: U4.30@18.15,41.08 18.137,41.093 18.137,45.739 R22.1@18.076,45.8 20.662,45.8 20.975,46.113 20.975,48.635 20.826,48.784 20.166,48.784 C34.2@20.1,48.85 Y1.1@18.2,48.85
XO: R22.2 R25.2 U4.31 | length 6.9
  Signal w0.254: R25.2@15.3,45.675 15.363,45.738 17.261,45.738 R22.2@17.324,45.8 17.36,45.764 17.36,43.905 17.65,43.615 U4.31@17.65,41.08
pads on no net: J1.A8 J1.B8 J3.7 J3.MH3 J3.MH4 Q1.3 Q1.6 Q2.3 Q2.6 Q5.3 Q5.6 Q7.3 Q7.6 U1.5 U1.6 U1.7 U1.8 U1.10 U1.11 U1.12 U1.13 U1.14 U1.15 U1.16 U1.22 U1.24 U1.25 U1.26 U1.27 U1.28 U1.29 U1.30 U1.31 U1.32 U1.33 U1.34 U1.35 U1.36 U1.42 U1.44 U1.45 U1.47 U1.48 U3.1 U3.2 U3.9 U3.10 U3.11 U3.12 U3.13 U3.14 U3.15 U3.16 U3.17 U3.18 U3.19 U3.20 U3.21 U3.22 U3.23 U3.24 U3.27 U3.28 U4.7 U4.12 U4.13 U4.18 U4.23 U4.24 U4.26 U4.36 U4.38 U4.39 U4.40 U4.41 U4.42 U4.46 U4.47 U5.1 U5.3 U5.8 U5.13 U5.16 U5.17 U5.18 U5.19 U5.20
copper on no net:
  other v8: 4,4 76,4 4,111 76,111

## Polygon pours and split planes (outlines as drawn)
GND on Signal "NONET_SIGNAL_P-001" (solid, remove dead copper, pour order 13): 0.002,109.3 82.9,109.3 82.9,79.35 79.9,76.35 47.825,76.35 47.825,0.3 48,0.125 47.65,-0.225 0.3,-0.225
3v3 on Signal "NONET_SIGNAL_P-001" (solid, pour order 7): 6.725,43.125 7.1,43.125 10.175,43.125 10.175,33.775 10.025,33.625 6.725,33.625
3v3 on Signal "NONET_SIGNAL_P-001" (solid, pour order 4): 28.9,90.05 27,88.15 27,82.65 37.075,82.65 38.025,83.6 40.325,83.6 40.325,85.5 40.25,85.575 37.3,85.575 37.3,87.555 33.517,87.555 33.55,90.05
5V on Signal "NONET_SIGNAL_P-001" (solid, pour order 3): 37.9,97.4 37.9,94.1 53.75,94.1 53.75,92.925 54.125,92.55 59.225,92.55 59.225,96.325 58.85,96.7 40.225,96.7 39.35,97.4
NetC36_1 on Signal "NONET_SIGNAL_P-001" (solid, pour order 2): 53.457,91.65 57.925,91.65 57.925,86.725 53.384,86.725
NetC36_1 on Signal "NONET_SIGNAL_P-001" (solid, pour order 0): 53.408,82.426 52.433,83.401 49.602,83.401 49.6,84.25 57.5,84.25 57.8,83.95 57.8,80.95 57.2,80.35 53.375,80.35
3v3 on PWRD "NONET_SIGNAL_P-001" (solid, pour order 10): 5.35,42.542 14.587,42.606 13.841,103.205 22.65,101.45 24.675,99.425 29.2,102.25 33.575,102.2 33.625,102.25 33.825,102.05 33.825,79 30.25,74.125 29.2,73.075 29.2,5.3 5.35,5.3
5V on PWRD "NONET_SIGNAL_P-001" (solid, pour order 8): 43.2,96.75 43.15,96.7 43.15,94.125 58.912,94.125 59.225,94.438 59.225,96.775
5V on PWRD "NONET_SIGNAL_P-001" (solid, pour order 9): 38.553,96.725 59.175,96.725 59.175,94.438 58.725,94.175 47.6,94.175 47.428,87.85 43.898,87.025 41.863,84.822 41.85,82.753 46.122,82.505 47.6,1.8 30.723,1.8 30.723,71.145 36.25,73.3 38.5,76.5
3v3 on PWRD "NONET_SIGNAL_P-001" (solid, pour order 6): 32.142,102.25 33.625,102.25 33.625,88.65 32.25,88.65 31.9,89
3v3 on PWRD "NONET_SIGNAL_P-001" (solid, pour order 5): 38.155,82.5 26.8,82.5 26.8,90.1 37.89,90.1
NetC36_1 on PWRD "NONET_SIGNAL_P-001" (solid, pour order 1): 53.375,80.35 57.2,80.35 57.8,80.95 57.8,83.95 57.8,87.25 57.709,90.425 53.375,90.425 53.375,87.25
GND on GND1 "NONET_SIGNAL_P-001" (solid, pour order 11): 79.851,109.6 80,77 47.775,77 47.775,0 0,0 0,109.6
GND on GND "NONET_SIGNAL_P-001" (solid, remove dead copper, pour order 12): 0,109.325 80,109.325 80,77 47.875,77.114 47.875,-3.897 0.4,-4.3 0,-3.9

## Silkscreen, mask and mechanical layers (free items; w line width, h text height)
Top Overlay:
  drawing of 2634 lines, arcs and shapes, not listed
Mechanical 1:
  lines w0.127: 49.95,2.5 ccw(c49.95,4.55) 52,4.55 52,73.45 ccw(c49.95,73.45) 49.95,75.5 ; 49.95,2.5 cw(c49.95,4.55) 47.9,4.55 47.9,73.45 cw(c49.95,73.45) 49.95,75.5 ; 49.95,2.5 49.95,2.5 ; 49.95,75.5 49.95,75.5 ; 0.064,3 ccw(c3.063,3) 3.063,0 77.064,0 ccw(c77.064,3) 80.064,3 80.064,112 ccw(c77.064,112) 77.064,115 3.063,115 ccw(c3.063,112) 0.064,112 0.064,3